# Allegro board LAY-29615_B4.brd (continued)
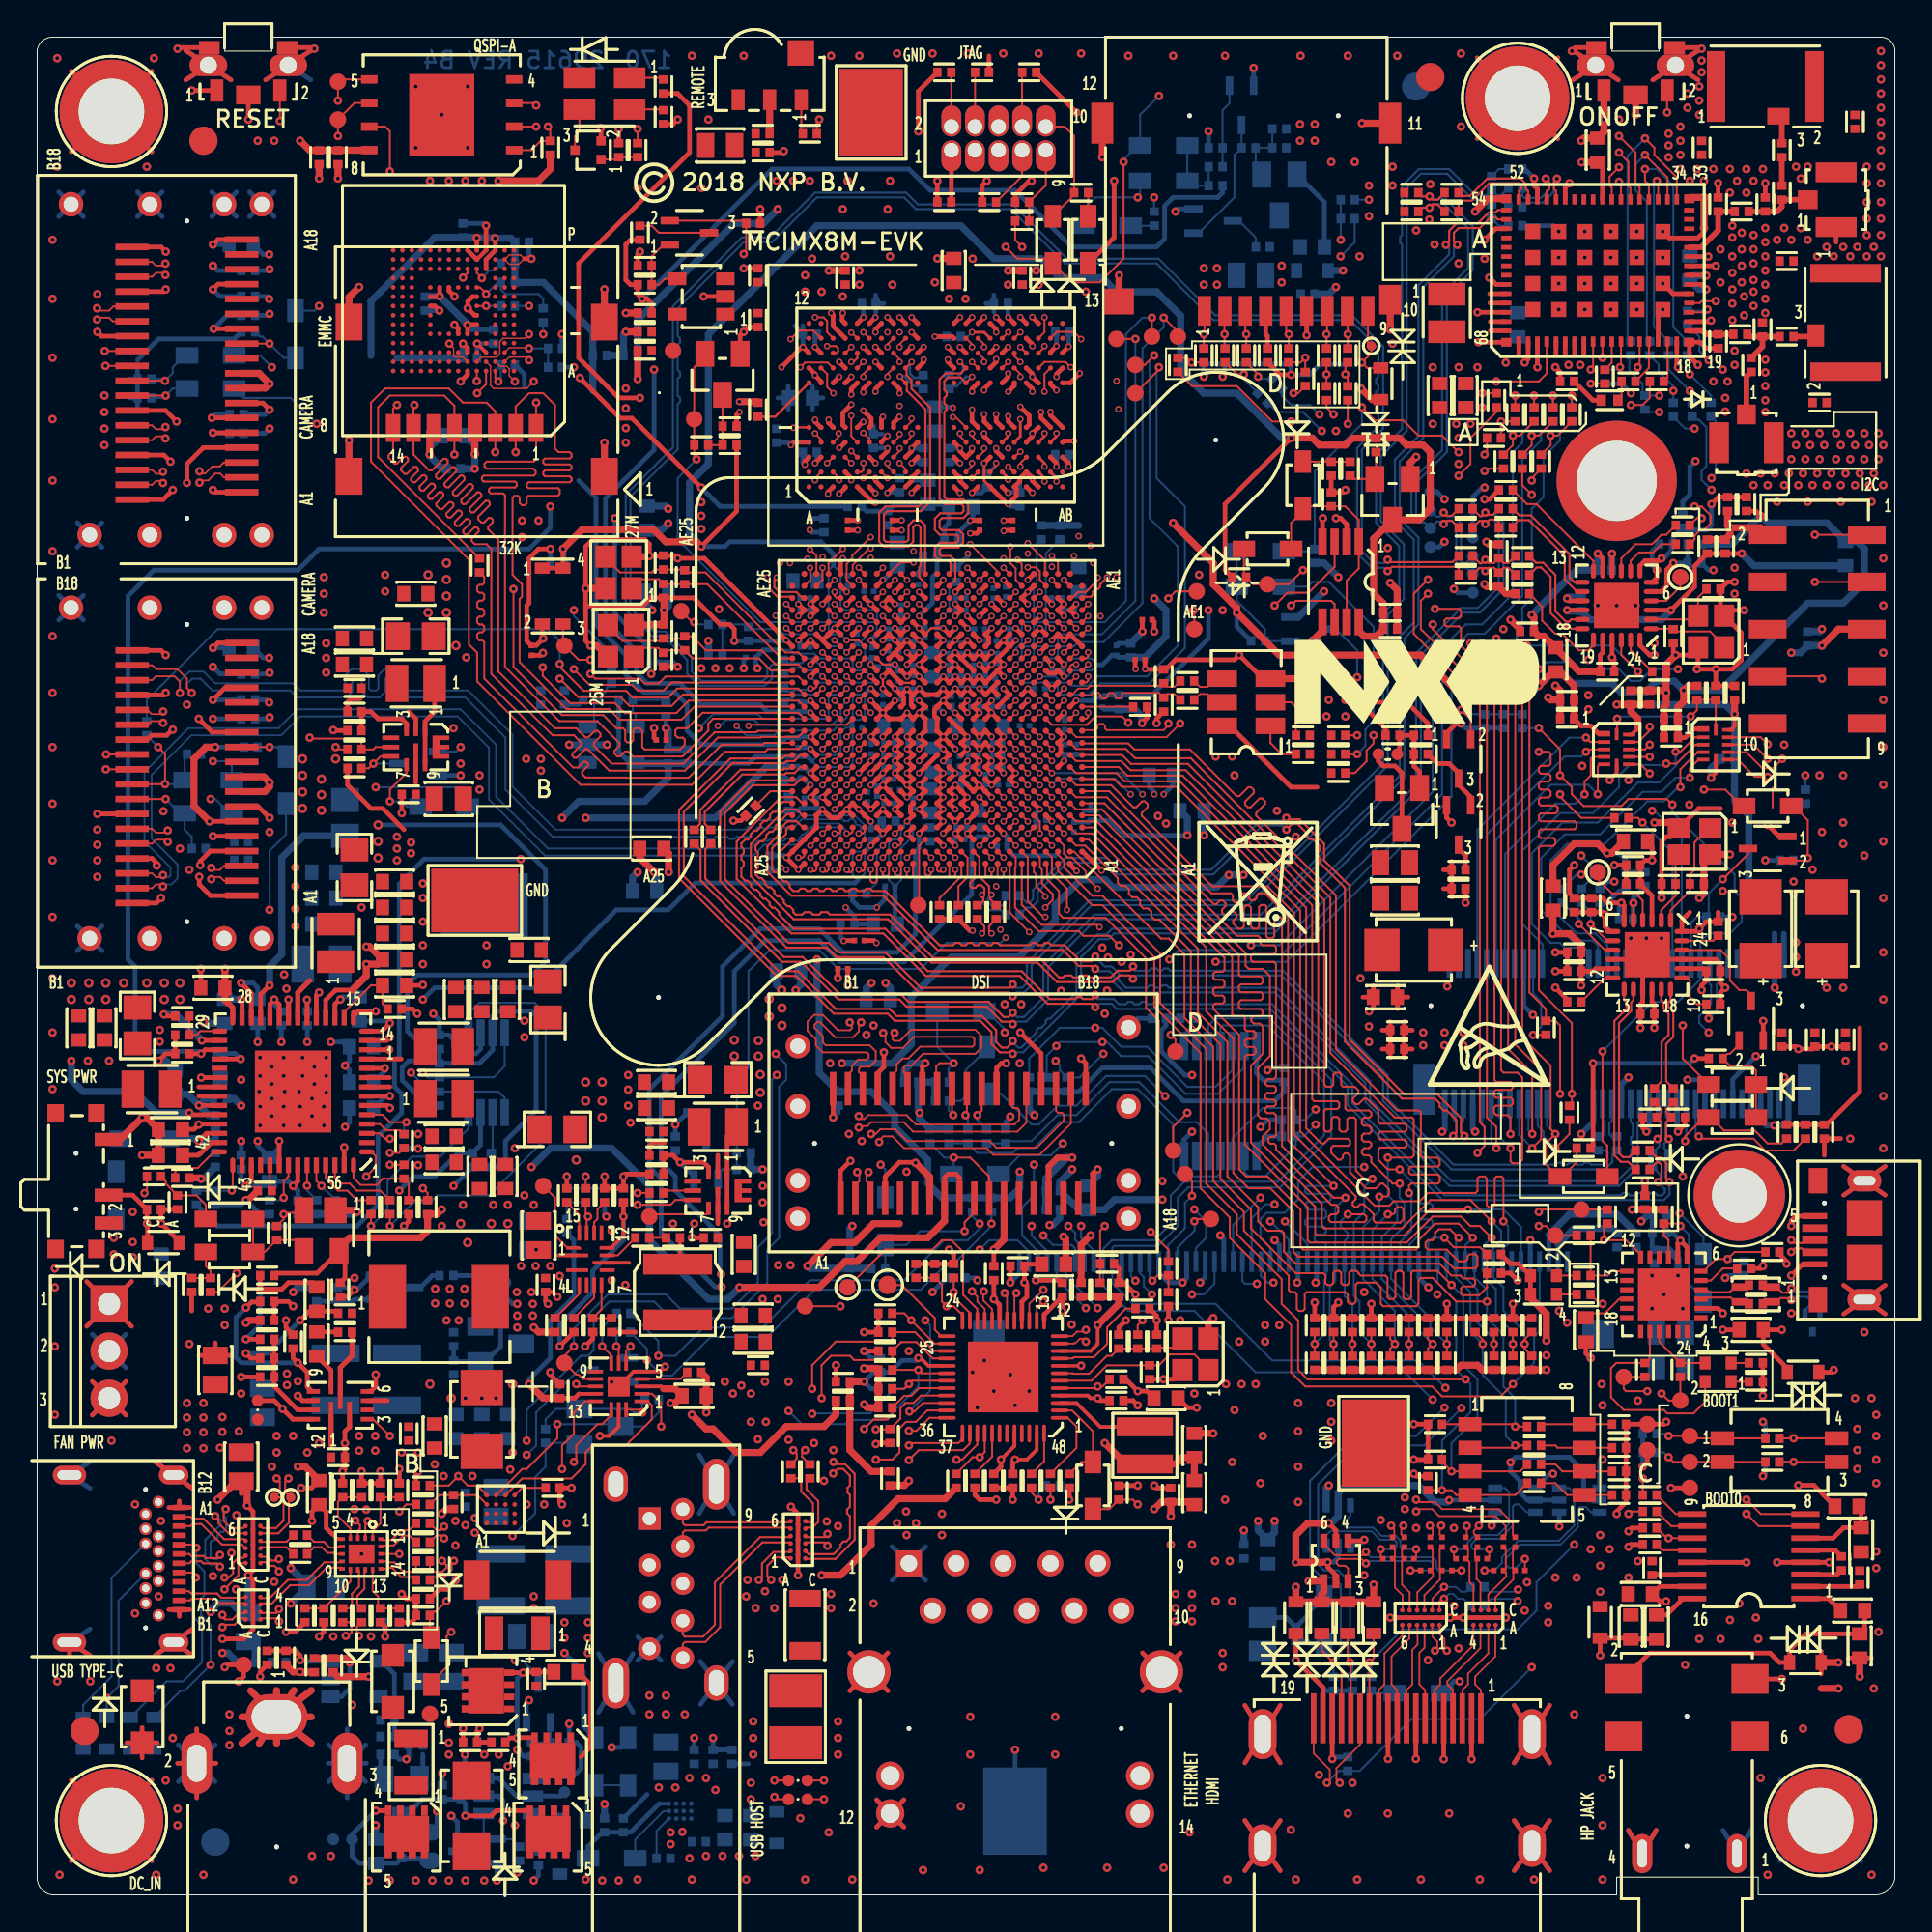
[diagram p0: board, top side]
## Routing (per net, layer and track width the routed paths; a pad name or vN(x,y) marks a point on that pad's centre or on a via; arc(x,y) is an arc through that point) (continued)
DRAM_DATA1_B: length 22
  TOP w0.152: U201.Y2 54.22,76.27 v2(54.22,76.09) ; U101.AD2 v2(55.27,70.78)
  L6_INT_2 w0.117: v2(55.27,70.78) 55.27,71.19 55.39,71.3 55.59,71.3 55.71,71.17 55.71,71.04 55.84,70.92 56.03,70.92 56.12,71.01 56.12,71.57 56.01,71.68 55.18,71.68 55.07,71.79 55.07,71.97 55.2,72.1 55.38,72.1 55.46,72.18 55.46,72.4 55.33,72.53 55.23,72.53 55.11,72.65 55.11,72.83 55.23,72.96 55.56,72.96 55.69,73.09 55.69,73.44 55.82,73.57 55.97,73.57 56.09,73.7 56.09,73.95 55.98,74.06 54.53,74.06 54.42,74.17 54.42,74.33 54.53,74.44 55.96,74.44 56.07,74.56 56.07,74.79 56,74.87 54.55,74.87 54.42,74.99 54.42,75.16 54.55,75.28 56.97,75.28 57.09,75.4 57.09,76.14 56.96,76.26 56.78,76.26 56.65,76.14 56.65,75.74 56.58,75.66 56.32,75.66 56.2,75.79 56.2,76.39 56.07,76.52 54.04,76.52 53.91,76.39 53.91,76.21 54.04,76.09 v2(54.22,76.09)
DRAM_DATA2_A: length 24.5
  TOP w0.102: v2(44.47,77.07) 44.47,76.69 44.37,76.59 U201.E2
  TOP w0.107: v2(43.37,72.45) 42.6,71.68 U101.AE22
  L6_INT_2 w0.102: 43.5,76.52 43.5,75.97
  L6_INT_2 w0.117: 43.5,75.97 43.65,75.81 46.04,75.81 46.22,75.63 46.42,75.63 46.54,75.5 46.54,75.21 46.45,75.12 45.96,75.12 45.84,74.99 45.84,74.74 45.91,74.66 45.91,73.62 45.78,73.49 45.52,73.49 45.4,73.61 45.4,74.46 45.27,74.6 45.11,74.6 45,74.49 45,73.58 44.89,73.47 44.69,73.47 44.57,73.6 44.57,74.49 44.45,74.6 44.18,74.6 44.06,74.73 44.06,74.87 44.18,74.99 44.6,74.99 44.73,75.12 44.73,75.29 44.6,75.41 43.72,75.41 43.62,75.32 43.62,74.41 43.5,74.28 43.5,73.98 43.62,73.85 43.7,73.85 43.8,73.75 43.8,73.55 43.67,73.42 43.5,73.42 43.37,73.29 43.37,73.11 43.5,72.99 43.9,72.99 43.98,73.06 44.39,73.06 44.51,72.94 44.51,72.76 44.39,72.63 44.23,72.63 44.11,72.51 44.11,72.33 44.23,72.2 44.39,72.2 44.51,72.07 44.51,71.93 44.39,71.8 43.81,71.8 43.71,71.9 43.71,72.33 43.58,72.45 v2(43.37,72.45) ; v2(44.47,77.07) 44.47,76.77 44.35,76.64 43.62,76.64 43.5,76.52
DRAM_DATA2_B: length 22.7
  TOP w0.107: U101.AE4 54.25,71.16 54.25,71.84 v2(53.33,72.76)
  TOP w0.152: v2(52.27,76.87) 52.3,76.87 52.58,76.59 U201.V2
  L6_INT_2 w0.117: v2(52.27,76.87) 52.27,76.63 52.39,76.52 53.12,76.52 53.23,76.42 53.23,76.24 53.12,76.14 52.77,76.14 52.45,75.82 51.54,75.82 51.42,75.93 51.42,76.15 51.31,76.26 51.16,76.26 51.04,76.15 51.04,75.93 50.93,75.82 50.8,75.82 50.68,75.69 50.68,75.51 50.8,75.39 51.54,75.39 51.62,75.3 51.62,75.09 51.51,74.98 49.7,74.98 49.59,74.87 49.59,74.71 49.7,74.6 51.51,74.6 51.62,74.49 51.62,74.33 51.51,74.22 50.72,74.22 50.61,74.1 50.61,73.95 50.72,73.84 51.51,73.84 51.62,73.72 51.62,73.57 51.51,73.45 50.72,73.45 50.61,73.34 50.61,73.18 50.72,73.07 51.51,73.07 51.62,72.96 51.62,72.81 51.5,72.69 50.74,72.69 50.64,72.58 50.64,72.4 50.74,72.3 52.16,72.3 52.26,72.2 52.64,72.2 53.2,72.76 v2(53.33,72.76)
DRAM_DATA3_A: length 23.7
  TOP w0.102: U201.F2 v2(44.47,76.27)
  TOP w0.114: U101.AD22 42.92,70.78 v2(42.93,70.78)
  L6_INT_2 w0.117: v2(42.93,70.78) 43.75,70.78 43.86,70.68 43.86,70.55 43.98,70.42 44.61,70.42 44.74,70.29 44.74,70.07 44.87,69.94 45.05,69.94 45.15,70.04 45.15,70.82 45.04,70.93 44.69,70.93 44.56,71.06 44.56,71.25 44.67,71.36 45.02,71.36 45.15,71.49 45.15,71.69 45.27,71.82 45.27,72.12 45.4,72.25 45.82,72.25 45.93,72.14 45.93,71.29 46.04,71.18 46.24,71.18 46.37,71.31 46.37,72.09 46.53,72.25 46.67,72.25 46.8,72.37 46.8,72.55 46.69,72.67 45.4,72.67 45.27,72.79 45.27,72.99 45.39,73.1 47.44,73.1 47.56,73.21 47.56,73.47 47.43,73.6 47.05,73.6 46.93,73.72 46.93,73.95 47.05,74.08 47.43,74.08 47.55,74.2 47.55,74.5 47.43,74.62 47.04,74.62 46.93,74.73 46.93,75 47.04,75.11 47.31,75.11 47.43,75.24 47.43,76.52 47.31,76.64 46.74,76.64 46.63,76.53 46.63,76.25 46.52,76.14 46.36,76.14 46.25,76.25 46.25,76.53 46.13,76.64 44.85,76.64 v2(44.47,76.27)
DRAM_DATA3_B: length 23
  TOP w0.107: U101.AD4 53.97,70.78 53.97,71.25 53.76,71.46 v2(53.33,71.46)
  TOP w0.152: v2(52.27,76.17) 52.27,76.27 U201.U2
  L6_INT_2 w0.102: 52.39,71.11 51.75,71.11
  L6_INT_2 w0.117: 52.39,71.11 52.97,71.11 v2(53.33,71.46) ; 51.75,71.11 51.62,71.23 51.62,71.69 51.5,71.82 51.22,71.82 51.11,71.71 51.11,71.29 51,71.18 50.84,71.18 50.73,71.29 50.73,71.71 50.61,71.82 49.08,71.82 48.96,71.94 48.96,72.22 49.07,72.34 49.74,72.34 49.85,72.45 49.85,72.61 49.74,72.72 48.94,72.72 48.83,72.83 48.83,72.99 48.94,73.1 49.74,73.1 49.85,73.21 49.85,73.37 49.74,73.48 48.94,73.48 48.83,73.59 48.83,73.75 48.94,73.86 49.74,73.86 49.85,73.97 49.85,74.13 49.74,74.24 48.94,74.24 48.83,74.35 48.83,74.63 48.94,74.74 49.1,74.74 49.21,74.85 49.21,75.01 49.1,75.12 48.97,75.12 48.84,75.25 48.84,75.63 48.97,75.76 49.23,75.76 49.34,75.87 49.34,76.03 49.23,76.14 49.07,76.14 48.96,76.25 48.96,76.55 49.08,76.68 51.75,76.68 51.88,76.56 51.88,76.3 52.01,76.17 v2(52.27,76.17)
DRAM_DATA4_A: length 22.1
  TOP w0.102: v2(44.47,78.69) 44.8,78.37 U201.F4 ; U101.AA24 v2(40.98,68.18)
  L6_INT_2 w0.102: 40.65,68.51 40.07,68.51
  L6_INT_2 w0.117: 40.07,68.51 39.49,68.51 36.64,71.36 36.64,77.1 39.61,80.07 42.89,80.07 44.27,78.69 v2(44.47,78.69) ; v2(40.98,68.18) 40.65,68.51
DRAM_DATA4_B: length 21.9
  TOP w0.102: U101.AA2 v2(55.92,68.18)
  TOP w0.152: U201.U4 52.27,78.52 v2(52.27,78.67)
  L6_INT_2 w0.102: 57.43,68.51 56.25,68.51
  L6_INT_2 w0.117: v2(52.27,78.67) 52.66,79.06 53.02,79.06 53.43,79.46 54.7,79.46 55.05,79.82 57.31,79.82 60.26,76.87 60.26,71.34 57.43,68.51 ; 56.25,68.51 v2(55.92,68.18)
DRAM_DATA5_A: length 22.7
  TOP w0.102: v2(40.32,68.18) 40.33,68.18 U101.Y25 ; U201.E4 43.82,78.52 v2(43.82,79.62)
  L6_INT_2 w0.117: v2(43.82,79.62) 42.99,80.45 39.43,80.45 36.26,77.28 36.26,71.18 39.26,68.18 v2(40.32,68.18)
DRAM_DATA5_B: length 22.3
  TOP w0.102: v2(56.58,68.18) 56.57,68.18 U101.Y1
  TOP w0.152: v2(52.92,79.44) 52.92,78.52 U201.V4
  L6_INT_2 w0.117: v2(56.58,68.18) 57.64,68.18 60.64,71.18 60.64,77.02 57.47,80.2 53.69,80.2 v2(52.92,79.44)
DRAM_DATA6_A: length 22.8
  TOP w0.102: U201.C4 43.15,78.49 v2(43.15,78.67) ; U101.AA25 v2(40.33,68.83)
  L6_INT_2 w0.117: v2(40.33,68.83) 39.91,69.25 39.29,69.25 37.02,71.52 37.02,76.9 39.84,79.72 41.54,79.72 41.57,79.74 42.81,79.74 44.51,78.04 44.51,77.91 44.39,77.79 44.26,77.79 43.79,78.26 43.03,78.26 42.86,78.42 42.86,78.55 42.99,78.68 43.14,78.68 v2(43.15,78.67)
DRAM_DATA6_B: length 22.4
  TOP w0.102: v2(56.58,68.83) 56.57,68.83 U101.AA1
  TOP w0.152: v2(54.22,78.67) 54.22,78.52 U201.Y4
  L6_INT_2 w0.117: v2(54.22,78.67) 53.84,78.29 52.92,78.29 52.74,78.12 52.56,78.12 52.46,78.22 52.46,78.37 52.77,78.68 53.07,78.68 53.45,79.06 54.8,79.06 55.18,79.44 57.09,79.44 59.88,76.64 59.88,71.5 59.4,71.02 59.24,71.02 59.12,71.15 58.96,71.15 58.85,71.04 58.85,70.88 58.97,70.75 58.97,70.6 57.55,69.17 56.92,69.17 v2(56.58,68.83)
DRAM_DATA7_A: length 22.7
  TOP w0.102: U101.AB25 40.33,69.48 v2(40.32,69.48) ; v2(41.87,78.67) 42.2,78.34
  TOP w0.127: 42.2,78.34 U201.B4
  L6_INT_2 w0.117: v2(41.87,78.67) 41.92,78.62 42.48,78.62 42.61,78.75 42.61,78.93 42.48,79.06 41.72,79.06 41.46,78.8 41.34,78.8 41.21,78.93 41.21,79.06 41.34,79.18 41.34,79.31 41.21,79.44 40.19,79.44 37.4,76.64 37.4,71.68 38.13,70.94 38.29,70.94 38.71,71.36 38.87,71.36 38.98,71.25 38.98,71.1 38.56,70.67 38.56,70.52 38.77,70.3 38.93,70.3 39.1,70.47 39.26,70.47 39.37,70.36 39.37,70.2 39.2,70.03 39.2,69.88 39.55,69.53 39.69,69.53 39.81,69.66 39.81,70.37 39.94,70.5 40.12,70.5 40.32,70.29 40.7,70.29 40.83,70.17 40.83,70.01 40.7,69.89 40.37,69.89 40.25,69.76 40.25,69.56 v2(40.32,69.48)
DRAM_DATA7_B: length 22.6
  TOP w0.102: U101.AB1 56.57,69.48 v2(56.58,69.48)
  TOP w0.152: U201.AA4 54.87,78.52 v2(54.87,78.67)
  L6_INT_2 w0.117: v2(54.87,78.67) 55.05,78.67 55.18,78.8 55.18,78.93 55.31,79.06 55.43,79.06 55.56,78.93 55.56,78.73 55.69,78.6 55.69,78.6 55.81,78.6 55.94,78.73 55.94,78.93 56.07,79.06 56.93,79.06 58.69,77.3 58.69,77.14 58.48,76.93 58.48,76.71 58.59,76.6 58.75,76.6 58.99,76.84 59.14,76.84 59.5,76.49 59.5,76.26 59.37,76.14 59.37,75.88 59.5,75.75 59.5,75.52 59.37,75.4 59.37,75.12 59.5,74.99 59.5,74.73 59.37,74.61 59.37,74.35 59.5,74.23 59.5,73.97 59.37,73.85 59.37,73.59 59.5,73.46 59.5,73.21 59.37,73.08 59.37,72.83 59.5,72.7 59.5,72.5 59.37,72.38 58.6,72.38 58.47,72.25 58.47,72.07 58.58,71.96 59.39,71.96 59.5,71.85 59.5,71.69 59.39,71.58 58.58,71.58 58.47,71.47 58.47,70.61 58.2,70.34 58.04,70.34 57.92,70.46 57.76,70.46 57.65,70.35 57.65,70.19 57.77,70.07 57.77,69.91 57.39,69.53 57.21,69.53 57.11,69.63 57.11,69.81 57.21,69.91 57.21,70.43 57.07,70.57 56.95,70.57 56.83,70.46 56.83,70.17 56.7,70.04 56.5,70.04 56.37,69.91 56.37,69.61 56.5,69.48 v2(56.58,69.48)
DRAM_DATA8_A: length 26.3
  TOP w0.102: U101.AB22 v2(42.93,68.83)
  TOP w0.107: U201.B11 41.79,84.21 41.01,84.21 v2(40.55,83.75)
  L4_INT_1 w0.102: 41.3,69.62 41.3,69.32 41.46,69.16 41.76,69.16 42.09,68.83
  L4_INT_1 w0.114: 42.09,68.83 v2(42.93,68.83) ; v2(40.55,83.75) 38.04,81.23 38.04,80.91 37.91,80.78 37.6,80.78 37.4,80.58 37.4,79.51 37.51,79.4 37.92,79.4 38.04,79.28 38.04,79.13 37.92,79.01 37.51,79.01 37.4,78.9 37.4,72.25 37.6,72.05 37.76,72.05 37.88,72.17 38.04,72.17 38.15,72.06 38.15,71.9 38.03,71.78 38.03,71.62 38.16,71.49 38.32,71.49 38.64,71.81 38.8,71.81 38.91,71.7 38.91,71.55 38.59,71.22 38.59,71.06 39.26,70.39 39.44,70.39 39.63,70.58 39.78,70.58 39.89,70.47 39.89,70.25 39.68,70.03 39.68,69.85 39.81,69.71 39.99,69.71 40.19,69.91 41.17,69.91 41.3,69.79 41.3,69.62
DRAM_DATA8_B: length 26.4
  TOP w0.102: U101.AB4 v2(54.62,68.83)
  TOP w0.107: v2(56.2,83.75) 55.81,84.14 54.89,84.14 U201.AA11
  L4_INT_1 w0.102: 54.81,68.83 55.14,69.16 56.74,69.16
  L4_INT_1 w0.114: v2(54.62,68.83) 54.81,68.83 ; v2(56.2,83.75) 56.46,83.75 56.6,83.6 56.6,83.35 56.75,83.21 57,83.21 57.14,83.06 57.14,82.81 57.29,82.67 57.54,82.67 57.68,82.52 57.68,82.27 57.83,82.13 58.08,82.13 58.6,81.6 58.6,81.45 58.44,81.28 58.44,81.13 58.6,80.97 58.73,80.97 58.92,81.16 59.05,81.16 59.23,80.98 59.23,80.8 58.99,80.56 58.99,80.4 59.1,80.29 59.26,80.29 59.37,80.18 59.37,80.04 59.26,79.92 59.1,79.92 58.99,79.81 58.99,79.65 59.1,79.54 59.26,79.54 59.37,79.43 59.37,79.27 59.26,79.16 59.1,79.16 58.99,79.05 58.99,78.89 59.1,78.78 59.26,78.78 59.37,78.67 59.37,78.51 59.26,78.4 59.1,78.4 58.99,78.29 58.99,78.13 59.1,78.02 59.26,78.02 59.37,77.91 59.37,77.75 59.26,77.64 59.1,77.64 58.99,77.53 58.99,77.37 59.1,77.26 59.26,77.26 59.37,77.15 59.37,76.99 59.26,76.88 59.1,76.88 58.99,76.76 58.99,76.61 59.1,76.49 59.26,76.49 59.37,76.38 59.37,71.77 58.86,71.26 58.86,71.18 58.17,70.48 57.06,70.48 56.96,70.38 56.96,69.38 56.74,69.16
DRAM_DATA9_A: length 26.8
  TOP w0.102: U101.AA22 v2(42.28,68.18)
  TOP w0.107: U201.C11 42.52,84.12 42.52,84.72 42.33,84.92 v2(41.87,84.92)
  L4_INT_1 w0.102: 40.07,67.86 41.72,67.86
  L4_INT_1 w0.114: 41.72,67.86 41.95,67.86 v2(42.28,68.18) ; v2(41.87,84.92) 40.04,84.92 36.26,81.14 36.26,71.39 39.79,67.86 40.07,67.86
DRAM_DATA9_B: length 27.3
  TOP w0.102: U101.AA4 v2(54.62,68.18)
  TOP w0.107: U201.Y11 54.22,84.12 v2(54.22,84.92)
  L4_INT_1 w0.102: 55.66,67.6 55.41,67.86 54.95,67.86
  L4_INT_1 w0.114: v2(54.62,68.18) 54.95,67.86 ; v2(54.22,84.92) 56.95,84.92 60.51,81.35 60.51,71.13 56.98,67.6 55.66,67.6
DRAM_DATA10_A: length 25.6
  TOP w0.102: U101.AA23 v2(41.63,68.18)
  TOP w0.107: U201.E11 43.85,84.09 v2(43.82,84.09)
  L4_INT_1 w0.102: 39.62,68.51 41.11,68.51 41.44,68.18
  L4_INT_1 w0.114: 41.44,68.18 v2(41.63,68.18) ; v2(43.82,84.09) 43.38,84.54 40.21,84.54 36.64,80.96 36.64,71.56 39.01,69.19 39.01,69.11 39.62,68.51
DRAM_DATA10_B: length 26
  TOP w0.102: U101.AA3 v2(55.27,68.18) ; U201.V11 v2(52.92,84.12)
  L4_INT_1 w0.102: v2(55.27,68.18) 55.46,68.18 55.78,67.86 56.76,67.86
  L4_INT_1 w0.114: 56.76,67.86 58.7,69.8 58.7,69.95 60.13,71.39 60.13,81.19 56.87,84.46 53.27,84.46 v2(52.92,84.12)
DRAM_DATA11_A: length 27.2
  TOP w0.102: U201.F11 v2(44.47,84.12)
  TOP w0.127: U101.AA20 v2(43.58,68.18)
  L4_INT_1 w0.102: 43.12,68.51 41.47,68.51 41.3,68.68 41.3,68.99 41.13,69.16 39.94,69.16
  L4_INT_1 w0.114: v2(43.58,68.18) 43.25,68.51 43.12,68.51 ; 39.94,69.16 37.02,72.07 37.02,80.78 40.42,84.18 43.25,84.18 43.67,83.76 44.11,83.76 v2(44.47,84.12)
DRAM_DATA11_B: length 28.3
  TOP w0.102: U201.U11 v2(52.27,84.12) ; U101.AA6 v2(53.32,68.18)
  L4_INT_1 w0.102: 56.75,68.51 53.65,68.51 ; 56.91,68.99 56.91,68.67
  L4_INT_1 w0.114: v2(52.27,84.12) 52.66,83.73 53.25,83.73 53.64,84.12 56.65,84.12 59.75,81.01 59.75,71.56 58.02,69.83 57.87,69.83 57.63,70.06 57.49,70.06 57.35,69.92 57.35,69.78 57.58,69.54 57.58,69.39 57.47,69.28 57.2,69.28 56.91,68.99 ; 53.65,68.51 v2(53.32,68.18) ; 56.91,68.67 56.75,68.51
DRAM_DATA12_A: length 26.1
  TOP w0.102: U201.F9 44.47,81.87 v2(44.47,81.72) ; U101.AA18 v2(44.88,68.83)
  L4_INT_1 w0.102: 44.55,69.79 44.55,69.28 ; 42.2,77.36 42.2,76.77
  L4_INT_1 w0.114: 42.2,77.36 42.11,77.45 41.17,77.45 41.08,77.54 41.08,78.95 41.2,79.06 41.35,79.06 41.46,78.95 41.46,77.96 41.58,77.85 42.11,77.85 42.23,77.97 42.23,78.42 42.45,78.65 42.45,78.96 42.23,79.18 42.23,79.7 42.12,79.81 41.96,79.81 41.85,79.92 41.85,80.08 41.96,80.19 42.5,80.19 42.61,80.3 42.61,80.46 42.5,80.57 41.96,80.57 41.85,80.68 41.85,80.84 41.96,80.95 42.24,80.95 42.35,81.06 42.35,81.21 42.48,81.34 44.35,81.34 44.47,81.46 v2(44.47,81.72) ; v2(44.88,68.83) 44.55,69.16 44.55,69.28 ; 44.55,69.79 44.57,69.81 44.57,71.76 42.61,73.72 42.35,73.72 41.74,74.33 41.49,74.33 41.34,74.48 41.34,76.14 41.21,76.26 40.7,76.26 40.6,76.36 40.6,76.54 40.7,76.64 42.07,76.64 42.2,76.77
DRAM_DATA12_B: length 28.7
  TOP w0.102: U201.U9 v2(52.27,82.52) ; U101.AA8 v2(52.02,68.83)
  L4_INT_1 w0.102: 54.55,77.13 54.55,75.75 ; 54.55,78.93 54.55,78.47 ; 51.7,71.06 51.7,69.16 ; 52.6,82.19 52.6,81.5 ; 54.55,81.24 54.55,80.48
  L4_INT_1 w0.114: 54.55,75.75 54.44,75.64 54.02,75.64 53.91,75.53 53.91,75.37 54.02,75.26 54.44,75.26 54.55,75.15 54.55,74.61 53.77,73.84 53.63,73.84 53.45,74.01 53.31,74.01 53.17,73.87 53.17,73.72 53.34,73.55 53.34,73.41 53.2,73.26 53.05,73.26 52.75,73.57 52.61,73.57 52.46,73.42 52.46,73.28 52.77,72.97 52.77,72.45 52.51,72.2 52.26,72.2 52.13,72.33 51.88,72.33 51.65,72.1 51.65,71.11 51.7,71.06 ; 51.7,69.16 v2(52.02,68.83) ; 54.55,77.13 54.46,77.22 54.15,77.22 54.04,77.34 54.04,77.49 54.15,77.61 54.97,77.61 55.05,77.69 55.05,77.86 54.97,77.95 53.75,77.95 53.66,78.04 53.66,78.24 53.75,78.33 54.41,78.33 54.55,78.47 ; v2(52.27,82.52) 52.6,82.19 ; 54.55,80.48 54.68,80.35 54.8,80.35 54.93,80.23 54.93,79.56 54.8,79.44 53.83,79.44 53.69,79.57 53.69,80.09 53.58,80.2 53.4,80.2 53.26,80.06 53.26,79.2 53.4,79.06 54.42,79.06 54.55,78.93 ; 52.6,81.5 52.75,81.34 54.45,81.34 54.55,81.24
DRAM_DATA13_A: length 26.6
  TOP w0.102: U101.AB19 v2(44.23,69.48) ; U201.E9 v2(44.47,82.52)
  L4_INT_1 w0.114: v2(44.47,82.52) 44.47,82.22 44.35,82.1 42.73,82.1 42.04,81.41 41.66,81.41 41.46,81.22 41.46,80.33 41.35,80.22 40.56,80.22 40.45,80.11 40.45,79.95 40.56,79.84 41.35,79.84 41.46,79.73 41.46,79.56 41.34,79.44 40.32,79.44 40.19,79.31 40.19,75.55 40.31,75.44 40.45,75.44 40.58,75.56 40.58,75.75 40.7,75.88 40.83,75.88 40.96,75.75 40.96,75.17 40.85,75.06 40.31,75.06 40.19,74.94 40.19,74.79 40.31,74.67 40.85,74.67 40.96,74.56 40.96,74.4 40.85,74.29 40.31,74.29 40.19,74.18 40.19,74.02 40.31,73.91 40.85,73.91 40.96,73.8 40.96,73.64 40.85,73.53 40.31,73.53 40.19,73.42 40.19,73.21 40.32,73.09 42.23,73.09 43.01,72.3 43.01,71.67 43.75,70.93 43.75,70.55 44.23,70.07 v2(44.23,69.48)
DRAM_DATA13_B: length 27.5
  TOP w0.102: U201.V9 52.92,81.87 v2(52.92,81.72) ; U101.AB7 v2(52.67,69.48)
  L4_INT_1 w0.114: v2(52.67,69.48) 52.31,69.85 52.31,70.47 52.51,70.67 52.51,71.13 53.2,71.82 53.53,71.82 53.78,72.07 53.78,73.24 53.89,73.34 54.15,73.34 54.25,73.24 54.25,73.06 54.35,72.96 54.56,72.96 54.66,73.06 54.66,73.24 54.76,73.34 55.58,73.34 55.7,73.47 55.7,73.68 55.6,73.78 55.06,73.78 54.95,73.89 54.95,74.05 55.06,74.16 55.96,74.16 56.07,74.27 56.07,74.43 55.96,74.54 55.06,74.54 54.95,74.65 54.95,74.81 55.06,74.92 55.96,74.92 56.07,75.03 56.07,75.19 55.96,75.3 55.06,75.3 54.95,75.41 54.95,75.63 55.08,75.75 55.87,75.75 55.99,75.88 55.99,76.05 55.88,76.16 55.29,76.16 55.18,76.28 55.18,76.43 55.29,76.54 55.96,76.54 56.07,76.66 56.07,77.15 55.94,77.28 55.56,77.28 55.43,77.41 55.43,79.18 55.56,79.31 55.82,79.31 55.94,79.44 55.94,79.69 55.82,79.82 55.56,79.82 55.24,80.14 55.24,81.91 55.04,82.1 53.31,82.1 v2(52.92,81.72)
DRAM_DATA14_A: length 27.6
  TOP w0.102: U101.AA19 v2(44.23,68.83)
  TOP w0.107: v2(41.08,82.23) 41.34,82.49 42.56,82.49 U201.C9
  L4_INT_1 w0.102: 43.78,69.81 43.42,69.81 43.25,69.98 43.25,70.95 ; 43.9,69.16 43.9,69.69
  L4_INT_1 w0.114: 43.9,69.69 43.78,69.81 ; v2(41.08,82.23) 41.08,80.71 40.96,80.58 40.78,80.58 40.65,80.71 40.65,81.11 40.54,81.22 40.32,81.22 40.19,81.09 40.19,80.64 40.06,80.51 39.89,80.51 39.74,80.66 39.56,80.66 39.43,80.53 39.43,80.26 39.54,80.15 39.96,80.15 40.07,80.03 40.07,79.88 39.96,79.76 39.54,79.76 39.43,79.65 39.43,79.49 39.54,79.38 39.7,79.38 39.81,79.27 39.81,79.11 39.7,79 39.54,79 39.43,78.89 39.43,78.73 39.54,78.62 39.7,78.62 39.81,78.51 39.81,78.35 39.7,78.24 39.29,78.24 39.18,78.13 39.18,77.97 39.29,77.86 39.7,77.86 39.81,77.75 39.81,77.59 39.7,77.48 39.04,77.48 38.92,77.37 38.92,77.21 39.04,77.1 39.7,77.1 39.81,76.99 39.81,76.8 39.7,76.68 39.04,76.68 38.92,76.57 38.92,76.41 39.04,76.3 39.7,76.3 39.81,76.19 39.81,72.94 39.99,72.76 42.1,72.76 42.66,72.2 42.66,71.55 43.25,70.95 ; v2(44.23,68.83) 43.9,69.16
DRAM_DATA14_B: length 29.4
  TOP w0.102: U101.AA7 v2(52.67,68.83)
  TOP w0.107: v2(55.64,82.23) 55.35,82.52 54.22,82.52 U201.Y9
  L4_INT_1 w0.102: 53,70.42 53,69.28
  L4_INT_1 w0.114: 53,69.28 53,69.16 v2(52.67,68.83) ; v2(55.64,82.23) 55.64,81.09 55.77,80.96 56.02,80.96 56.15,81.09 56.15,81.44 56.27,81.57 56.48,81.57 56.58,81.47 56.58,80.69 56.47,80.58 55.75,80.58 55.64,80.47 55.64,80.33 55.77,80.2 56.2,80.2 56.32,80.07 56.32,79.1 56.21,78.99 55.93,78.99 55.82,78.88 55.82,78.72 55.93,78.61 56.21,78.61 56.32,78.5 56.32,78.14 56.2,78.01 56.05,78.01 55.94,77.9 55.94,77.74 56.05,77.63 56.34,77.63 56.45,77.52 56.45,74.35 56.56,74.24 57.36,74.24 57.47,74.13 57.47,73.97 57.36,73.86 56.31,73.86 56.2,73.75 56.2,73.6 56.32,73.47 57.34,73.47 57.47,73.34 57.47,73.13 57.38,73.04 56.45,73.04 55.87,72.45 55.66,72.45 55.56,72.55 55.56,72.83 55.43,72.96 55.16,72.96 55.05,72.86 55.05,71.23 54.95,71.13 54.28,71.13 54.18,71.23 54.18,71.59 54.07,71.69 53.87,71.69 53.77,71.59 53.77,71.23 53.66,71.13 53.17,71.13 52.97,70.93 52.97,70.45 53,70.42
DRAM_DATA15_A: length 27
  TOP w0.102: U101.AA17 v2(45.53,68.83)
  TOP w0.107: v2(42.86,80.83) 42.52,81.17 42.52,81.87 U201.B9
  L4_INT_1 w0.102: 45.2,69.28 45.2,69.79
  L4_INT_1 w0.114: 45.2,69.28 45.2,69.16 v2(45.53,68.83) ; 45.2,69.79 45.17,69.81 45.17,71.69 45.27,71.79 45.27,73.47 44.08,74.66 43.53,74.66 43.42,74.55 43.42,74.33 43.31,74.23 43.01,74.23 42.91,74.33 42.91,74.55 42.8,74.66 41.83,74.66 41.72,74.77 41.72,75.64 41.83,75.75 41.99,75.75 42.1,75.64 42.1,75.15 42.21,75.04 43.73,75.04 43.85,75.17 43.85,75.63 43.73,75.75 42.61,75.75 42.44,75.92 42.44,76.1 42.61,76.26 42.61,76.59 42.79,76.77 42.94,76.77 43.18,76.53 43.36,76.53 43.49,76.66 43.49,77.28 43.36,77.41 42.73,77.41 42.61,77.53 42.61,78.17 42.73,78.29 43.62,78.29 43.75,78.42 43.75,78.95 43.64,79.06 43.35,79.06 43.24,79.18 43.24,79.33 43.37,79.46 43.37,79.69 43.29,79.77 42.99,79.77 42.86,79.9 42.86,80.07 42.99,80.2 43.36,80.2 43.47,80.31 43.47,80.83 43.34,80.96 42.99,80.96 v2(42.86,80.83)
DRAM_DATA15_B: length 30.1
  TOP w0.102: U101.AA9 v2(51.37,68.83)
  TOP w0.107: U201.AA9 54.22,81.87 v2(54.22,80.92)
  L4_INT_1 w0.102: 52.6,78.97 52.6,80.46 ; 51.05,69.16 51.05,71.06
  L4_INT_1 w0.114: 52.6,80.46 52.72,80.58 53.89,80.58 v2(54.22,80.92) ; 52.6,78.97 53.28,78.29 53.28,77.36 53.38,77.25 53.68,77.25 53.78,77.15 53.78,76.95 53.68,76.85 53.38,76.85 53.28,76.75 53.28,76.62 53.17,76.52 52.78,76.52 52.66,76.39 52.66,75.77 52.73,75.7 53.02,75.7 53.15,75.58 53.15,75.37 53.05,75.27 52.74,75.27 52.64,75.17 52.64,74.99 52.74,74.89 53.93,74.89 54.04,74.78 54.04,74.62 53.9,74.48 51.95,74.48 51.85,74.59 51.85,76.54 51.75,76.64 51.12,76.64 50.99,76.52 50.99,76.14 51.12,76.01 51.32,76.01 51.44,75.88 51.44,75.63 51.32,75.5 51.12,75.5 50.99,75.37 50.99,75.12 51.12,74.99 51.32,74.99 51.44,74.87 51.44,74.59 51.34,74.48 51.09,74.48 50.98,74.38 50.98,74.1 51.08,74 51.5,74 51.62,73.88 51.62,73.62 51.52,73.52 51.09,73.52 50.98,73.41 50.98,73.21 51.08,73.11 51.78,73.11 51.88,73.01 51.88,72.81 51.78,72.71 51.1,72.71 50.99,72.6 50.99,72.4 51.23,72.16 51.23,71.98 51.05,71.8 51.05,71.06 ; v2(51.37,68.83) 51.05,69.16
DRAM_DMI0_A: length 22.5
  TOP w0.102: U201.C3 v2(42.52,77.07)
  TOP w0.107: v2(42.27,71.43) 42.27,70.78 U101.AD23
  L6_INT_2 w0.117: v2(42.52,77.07) 42.32,77.07 42.18,77.21 42.18,77.53 42.05,77.66 41.85,77.66 41.74,77.55 41.74,77.47 41.63,77.36 41.47,77.36 41.36,77.47 41.36,77.55 41.25,77.66 39.95,77.66 39.39,77.1 39.39,72.45 39.52,72.33 39.73,72.33 39.85,72.45 39.85,72.56 39.98,72.69 40.16,72.69 40.25,72.6 40.25,72.14 40.35,72.05 40.96,72.05 41.08,71.92 41.08,71.34 40.97,71.23 40.43,71.23 40.32,71.12 40.32,70.91 40.43,70.8 40.97,70.8 41.08,70.68 41.08,70.42 41.26,70.24 41.26,69.96 41.39,69.84 41.59,69.84 41.8,70.04 41.97,70.04 42.18,69.84 42.45,69.84 42.58,69.96 42.58,70.19 42.48,70.29 42.4,70.29 42.27,70.42 42.27,70.6 42.39,70.71 42.47,70.71 42.58,70.83 42.58,71.03 42.73,71.18 43.75,71.18 43.85,71.28 43.85,71.46 43.73,71.58 42.42,71.58 v2(42.27,71.43)
DRAM_DMI0_B: length 22.4
  TOP w0.152: U201.Y3 54.22,77.07 v2(54.22,76.89) ; U101.AD3 v2(54.62,70.78)
  L6_INT_2 w0.117: v2(54.62,70.78) 54.34,70.5 54.34,69.96 54.47,69.84 54.69,69.84 54.81,69.96 54.81,70.29 54.94,70.42 55.07,70.42 55.19,70.29 55.19,69.96 55.32,69.84 55.5,69.84 55.63,69.96 55.63,70.41 55.74,70.52 55.97,70.52 56.19,70.3 56.37,70.3 56.5,70.42 56.5,72.15 56.32,72.33 56.32,72.83 56.53,73.04 56.53,74.74 56.65,74.87 56.83,74.87 56.98,74.71 56.98,73.6 57.11,73.47 57.34,73.47 57.47,73.6 57.47,77.15 57.34,77.28 57.19,77.28 57.06,77.15 57.06,76.77 56.93,76.64 56.79,76.64 56.66,76.77 56.66,77.15 56.53,77.28 56.35,77.28 56.22,77.15 56.22,77.01 56.11,76.9 55.95,76.9 55.84,77.01 55.84,77.12 55.73,77.23 53.86,77.23 53.62,76.99 53.62,76.81 53.71,76.72 53.89,76.72 54.06,76.89 v2(54.22,76.89)
DRAM_DMI1_A: length 26.4
  TOP w0.102: U101.AB20 v2(43.58,68.83)
  TOP w0.107: U201.C10 43.01,82.99 43.12,83.1 43.12,83.25 43,83.37 v2(42.52,83.37)
  L4_INT_1 w0.102: 43.12,69.16 42.12,69.16 41.95,69.33 41.95,69.68
  L4_INT_1 w0.114: v2(42.52,83.37) 42.58,83.43 43.01,83.43 43.14,83.55 43.14,83.73 43.05,83.82 42.04,83.82 41.9,83.68 41.61,83.68 41.46,83.82 41.19,83.82 38.42,81.06 38.42,80.68 38.19,80.45 38.19,80.17 38.42,79.95 38.42,78.94 37.78,78.3 37.78,78.07 37.93,77.92 37.93,77.69 37.78,77.54 37.78,77.3 37.93,77.16 37.93,76.92 37.78,76.78 37.78,76.54 37.93,76.4 37.93,76.16 37.78,76.02 37.78,75.78 37.93,75.63 37.93,75.4 37.78,75.25 37.78,72.71 37.91,72.58 38.19,72.58 38.44,72.33 38.87,72.33 39.31,71.89 39.31,71.41 39.41,71.31 40.19,71.31 40.32,71.18 40.32,70.42 40.45,70.29 41.59,70.29 41.72,70.17 41.72,69.91 41.95,69.68 ; v2(43.58,68.83) 43.58,69.06 43.47,69.16 43.12,69.16
DRAM_DMI1_B: length 27.4
  TOP w0.102: U101.AB6 v2(53.32,68.83) ; v2(54.22,83.37) 54.22,83.32 U201.Y10
  L4_INT_1 w0.102: 53.78,69.16 54.76,69.16 54.95,69.36 54.95,69.68
  L4_INT_1 w0.114: 54.95,69.68 55.1,69.84 56.25,69.84 56.55,70.14 56.55,71.16 56.7,71.31 57.59,71.31 57.72,71.44 57.72,71.82 57.83,71.93 58.1,71.93 58.2,71.83 58.2,71.41 58.31,71.31 58.51,71.31 58.61,71.41 58.61,71.72 58.71,71.82 58.86,71.82 58.99,71.94 58.99,72.16 58.86,72.28 58.74,72.28 58.61,72.41 58.61,72.59 58.72,72.7 58.88,72.7 58.99,72.81 58.99,72.97 58.88,73.08 58.72,73.08 58.61,73.19 58.61,73.35 58.72,73.46 58.88,73.46 58.99,73.57 58.99,73.73 58.88,73.84 58.72,73.84 58.61,73.96 58.61,74.11 58.72,74.23 58.88,74.23 58.99,74.34 58.99,74.49 58.88,74.61 58.72,74.61 58.61,74.72 58.61,74.88 58.72,74.99 58.88,74.99 58.99,75.1 58.99,75.26 58.88,75.37 58.72,75.37 58.61,75.48 58.61,75.64 58.72,75.75 58.88,75.75 58.99,75.86 58.99,76.02 58.88,76.13 58.72,76.13 58.61,76.24 58.61,80.33 57.7,81.24 57.7,81.7 55.6,83.8 54.35,83.8 54.22,83.67 v2(54.22,83.37) ; v2(53.32,68.83) 53.65,69.16 53.78,69.16
DRAM_NCS0_A: length 14.3
  TOP w0.102: v2(46.42,78.63) 46.42,78.52 U201.H4 ; v2(45.53,71.43) U101.AE18
  L8_INT_3 w0.076: v2(45.53,71.43) 45.53,72.92 45.61,73.01 46.08,73.01 46.16,73.1 46.16,73.28 46.08,73.37 45.61,73.37 45.53,73.46 45.53,73.63 45.61,73.72 46.08,73.72 46.16,73.81 46.16,73.99 46.08,74.08 45.61,74.08 45.53,74.17 45.53,74.35 45.63,74.46 46.2,74.46 46.29,74.55 46.29,74.71 46.2,74.8 45.87,74.8 45.78,74.89 45.78,75.07 45.87,75.16 46.33,75.16 46.42,75.25 46.42,76.57 46.1,76.89 46.1,78.84 46.01,78.93 45.74,78.93 45.66,79.02 45.66,79.18 45.74,79.27 46.25,79.27 46.42,79.09 v2(46.42,78.63)
DRAM_NCS0_B: length 14.4
  TOP w0.102: v2(50.72,69.48) U101.AC9 ; U201.R4 50.32,78.52 v2(50.32,78.67)
  L8_INT_3 w0.076: v2(50.32,78.67) 50.09,78.67 50,78.58 50,78.45 49.85,78.29 49.3,78.29 49.21,78.21 49.21,77.62 49.38,77.46 49.8,77.46 50,77.25 50,76.86 49.78,76.64 49.34,76.64 49.21,76.52 49.21,76.14 49.36,75.99 49.36,75.78 49.21,75.64 49.21,72.5 49.91,71.81 50.32,71.81 50.41,71.72 50.41,70.65 50.22,70.46 49.89,70.46 49.75,70.32 49.75,69.91 49.86,69.8 50.21,69.8 50.53,69.48 v2(50.72,69.48)